# Altium PCB AD6645.PcbDoc (part 1 of 2) (continued)
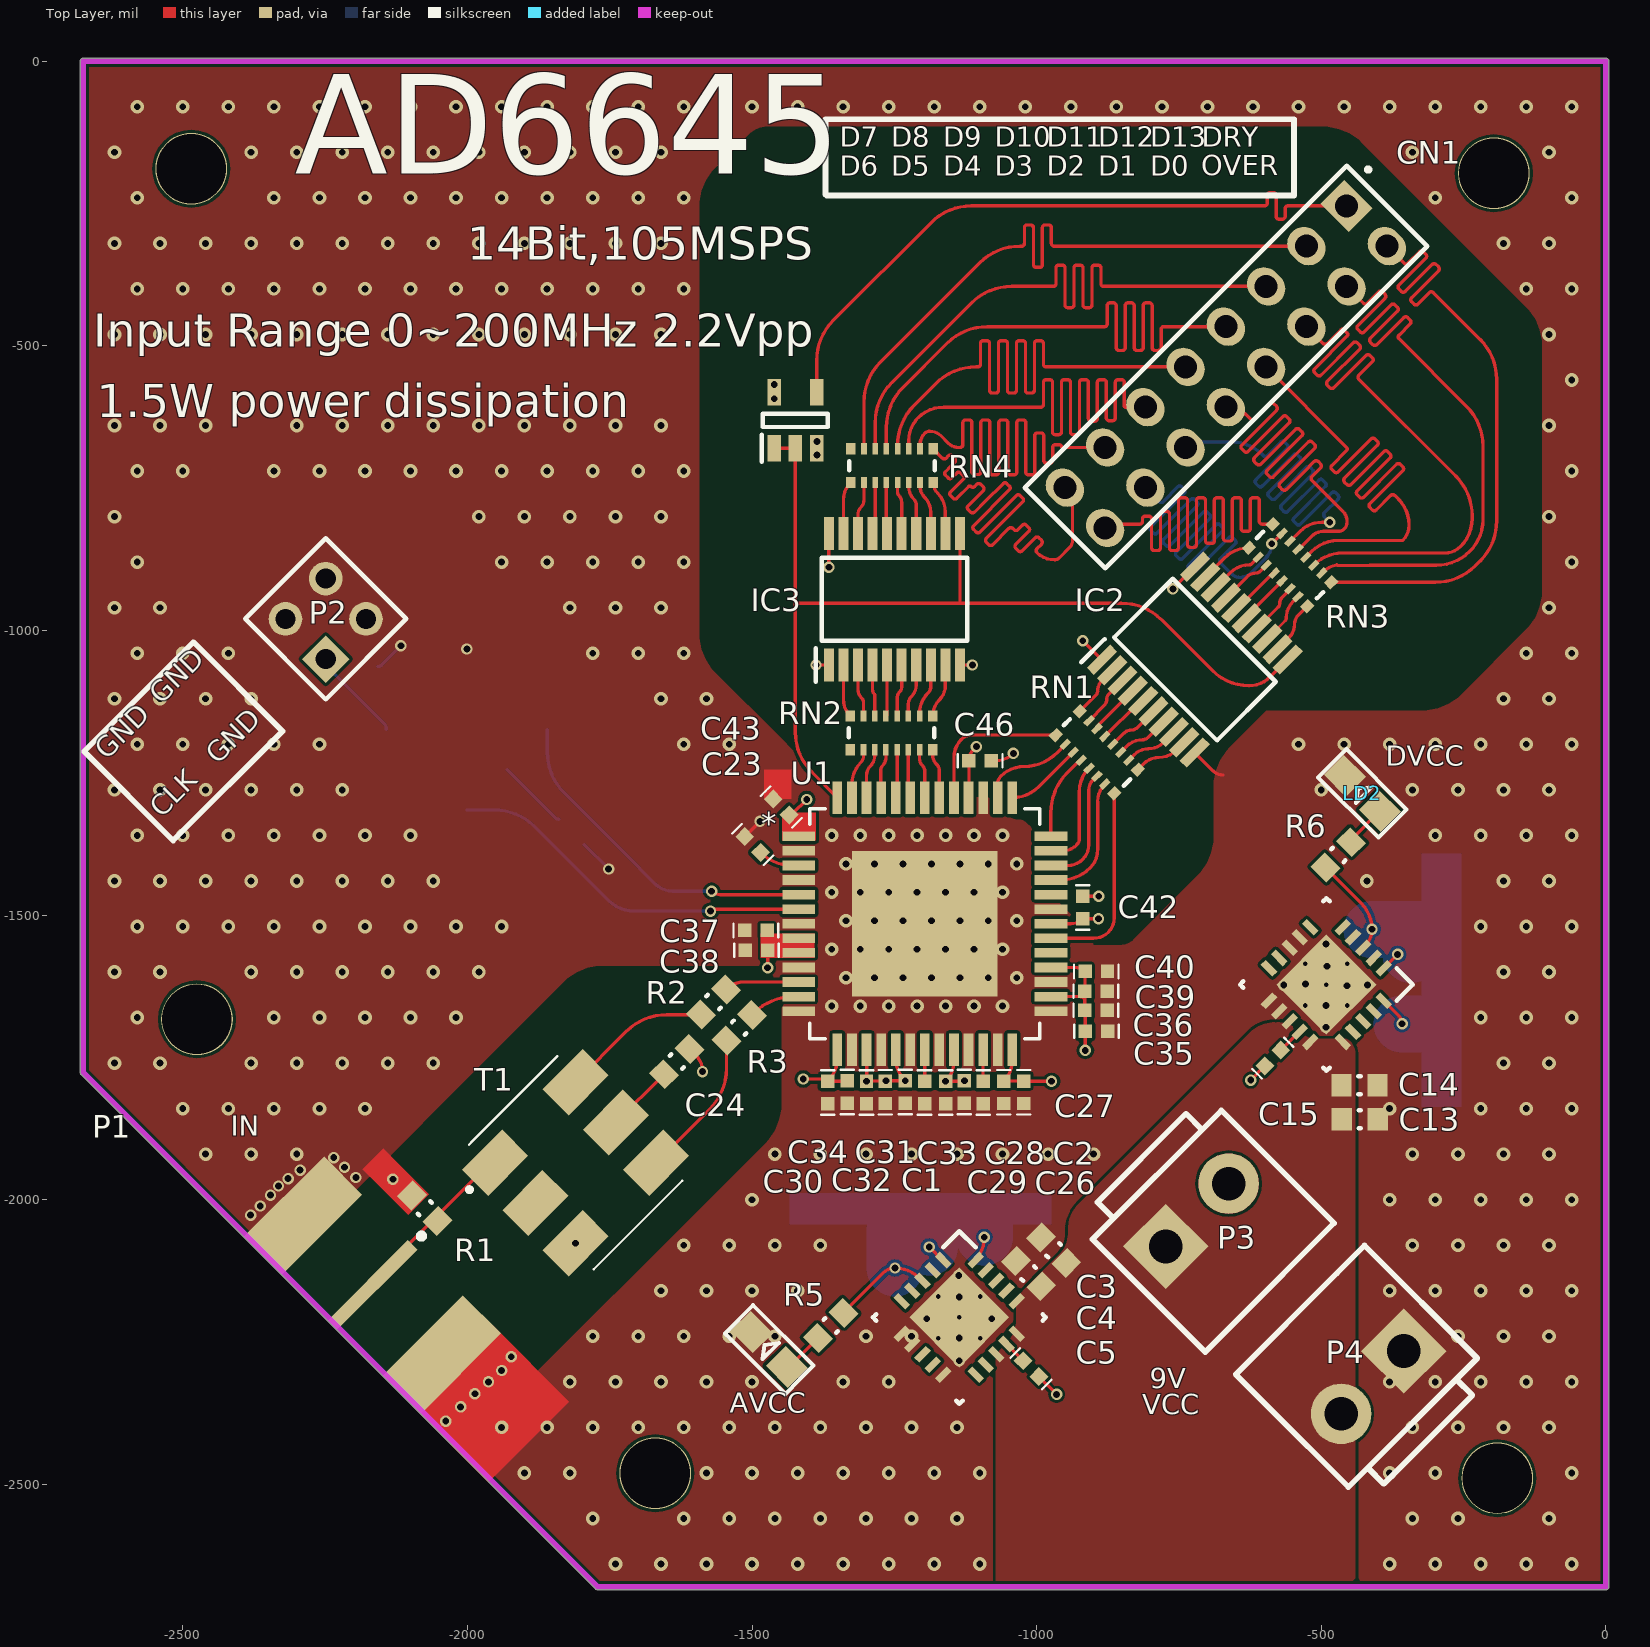
[diagram p0: Top Layer view]
## Components (designator, comment, footprint, x,y, rotation, side; value= is the part's Value field where it differs from the comment)
C1 "0.1u" 0402 -1197,-1792 r270 top
C2 "0.1u" 0402 -1094,-1792 r270 top
C3 "10uf" 0603C -970.27,-2088.73 r315 top
C4 "10uf" 0603C -1014.27,-2129.73 r315 top
C5 "1uf" 0402 -996.16,-2310.84 r135 top
C6 "10uf" 0603C -1207,-1981.5 r270 bottom
C7 "10uf" 0603C -1401,-1981.5 r270 bottom
C8 "10uf" 0603C -1271.67,-1981.5 r270 bottom
C9 "10uf" 0603C -1142.33,-1981.5 r270 bottom
C10 "10uf" 0603C -1077.67,-1981.5 r270 bottom
C11 "10uf" 0603C -1336.33,-1981.5 r270 bottom
C12 "10uf" 0603C -1013,-1981.5 r270 bottom
C13 "10uf" 0603C -432.5,-1859 r180 top
C14 "10uf" 0603C -433,-1799 r180 top
C15 "1uf" 0402 -599,-1765 r45 top
C16 "10uf" 0603C -252,-1551.83 r180 bottom
C17 "10uf" 0603C -252,-1423 r180 bottom
C18 "10uf" 0603C -252,-1745.09 r180 bottom
C19 "10uf" 0603C -252,-1809.5 r180 bottom
C20 "10uf" 0603C -252,-1487.42 r180 bottom
C21 "10uf" 0603C -252,-1680.67 r180 bottom
C22 "10uf" 0603C -252,-1616.25 r180 bottom
C23 "0.1u" 0402 -1512.84,-1362.16 r315 top
C24 "0.1u" 0603C -1632.27,-1757.27 r45 top
C25 "0.1u" 0603C -1817,-1354 r315 bottom
C26 "0.1u" 0402 -1058,-1831 r90 top
C27 "0.1n" 0402 -1023,-1831 r90 top
C28 "0.1u" 0402 -1160,-1831.37 r90 top
C29 "0.1n" 0402 -1127,-1830.37 r90 top
C30 "0.1u" 0402 -1333,-1830.37 r90 top
C31 "0.1n" 0402 -1299,-1831.37 r90 top
C32 "0.1u" 0402 -1266,-1831 r90 top
C33 "0.1n" 0402 -1231,-1830.37 r90 top
C34 "0.1u" 0402 -1367,-1831.37 r90 top
C35 "0.1n" 0402 -875.26,-1704 r180 top
C36 "0.1u" 0402 -876.26,-1667 r180 top
C37 "0.1n" 0402 -1513,-1527 r0 top
C38 "0.1u" 0402 -1512,-1562 r0 top
C39 "0.1n" 0402 -876.26,-1634 r180 top
C40 "0.1u" 0402 -875.63,-1599 r180 top
C42 "0.1u" 0402 -919,-1467 r270 top
C43 "0.1u" 0402 -1462.84,-1296.16 r315 top
C46 "0.1n" 0402 -1079.63,-1229 r180 top
CN1 "Header 8X2_Female" HDR_8x2_2R54_V_F -455.58,-254.16 r225 top
D1 "MA717-(TX)" SOT-23 -1725,-1446 r315 bottom
IC2 "74LCX574FT_AE_" SOP65P640X120-20N -722.16,-1051.26 r45 top
IC3 "74LCX574FT_AE_" SOP65P640X120-20N -1250,-945 r90 top
IC4 "NC7SZ32M5X" SOT95P280X145-5N -1424,-630.79 r90 top
LD1 "LED" SMDLED -1439,-2294 r135 top
LD2 "LED" SMDLED -397.02,-1317.07 r135 top
P1 "SMA" SMA -2095.58,-2085.65 r45 top
P2 "Header 2X2" HDR2X2 -2249,-1050.42 r45 top
P3 "3.96" 3.96 -718,-2027 r45 top
P4 "3.96" 3.96 -410,-2321 r225 top
R1 "60.4" 0603R -2075,-2015 r315 top
R2 "25" 0603R -1567.73,-1652.73 r45 top
R3 "25" 0603R -1522.73,-1697.73 r45 top
R4 "49.9" 0603R -2179.73,-1085.73 r225 bottom
R5 "1k" 0603R -1362,-2221 r225 top
R6 "1k" 0603R -470.27,-1394.27 r45 top
RN1 "EXB-2HV101JV" EXB2HV101JV -894.16,-1214.08 r315 top
RN2 "EXB-2HV101JV" EXB2HV101JV -1255,-1180 r0 top
RN3 "EXB-2HV101JV" EXB2HV101JV -555,-885.24 r315 top
RN4 "EXB-2HV101JV" EXB2HV101JV -1254.21,-710.47 r0 top
T1 "ADT4-1WT" ADT41WT -1810,-1935 r315 top
T2 "ADT4-1WT" ADT41WT -2001,-1174 r45 bottom
U1 "AD6645ASVZ-80" SV_52_1_ADI -1196.54,-1515.22 r0 top
U4 "TPS7A4701QRGWRQ1" RGW0020A -1135.89,-2206.89 r315 top value=Value
U5 "TPS7A4701QRGWRQ1" RGW0020A -491,-1622 r225 top value=Value

## Footprints (in the part's own frame and the unit in brackets; to place one, negate y for a bottom-side part, rotate by r counter-clockwise, add the part's x,y. Pads: shape width x height; smd on the part's side, far side on the other; paste and mask are expansions set on the pad)
3.96 [mm] "接插件，25V/5A"
  rect 2.7x2.7 hole 1.5: 1(-1.98,0)
  round 2.7 hole 1.5: 2(1.982,0)
  silkscreen extent -4.06,-4.57 4.07,3.56, body extent -3.98,-4.4 4.03,4.16, height 10.5
0402 [mm]
  rect 0.6x0.6 smd: 1(0,0) 2(1,0)
  silkscreen extent -0.5,-0.3 1.5,0.3
0603C [mm] "Chip Capacitor, Body 1.6x0.8mm, Height 1.0mm, IPC Medium Density"
  rect 0.9x1 smd: 1(-0.8,0) 2(0.8,0)
  silkscreen extent -0.05,-0.4 0.05,0.4, body extent -0.88,-0.47 0.88,0.47, height 1
0603R [mm] "Chip Resistor, Body 1.6x0.8mm, IPC Medium Density"
  rect 0.9x1 smd: 1(-0.8,0) 2(0.8,0)
  silkscreen extent -0.05,-0.4 0.05,0.4, body extent -0.85,-0.47 0.85,0.47, height 0.6
ADT41WT [mm]
  rect 1.65x2.54 smd: 1(-2.54,-2.54) 2(0,-2.54) 3(2.54,-2.54) 4(2.54,2.54) 5(0,2.54) 6(-2.54,2.54)
  silkscreen extent -3.94,-4.3 3.94,2.8, body extent -3.94,-3.65 3.94,3.64, height 2.94
EXB2HV101JV [mm]
  rect 0.425x0.5 smd: 1(-1.838,-0.75) 8(1.838,-0.75) 9(1.838,0.75) 16(-1.838,0.75)
  rect 0.25x0.5 smd: 2(-1.25,-0.75) 3(-0.75,-0.75) 4(-0.25,-0.75) 5(0.25,-0.75) 6(0.75,-0.75) 7(1.25,-0.75) 10(1.25,0.75) 11(0.75,0.75) 12(0.25,0.75) 13(-0.25,0.75) 14(-0.75,0.75) 15(-1.25,0.75)
  silkscreen extent -1.9,-0.2 1.9,0.2, body extent -2.01,-0.98 2.01,0.98, height 0.65
HDR2X2 [mm]
  rect 1.5x1.5 hole 0.9: 1(0,0)
  round 1.5 hole 0.9: 2(0,2.54) 3(2.54,0) 4(2.54,2.54)
  silkscreen extent -1.27,-1.27 3.81,3.81
HDR_8x2_2R54_V_F [mm] "Female Header, Pitch 2.54mm, 2x8 Position, Mated Height 6mm, Tail Length 3mm"
  rect 1.5x1.8 hole 1.02: 1(0,0)
  oval 1.5x1.8 hole 1.02: 2(0,2.54) 3(2.54,0) 4(2.54,2.54) 5(5.08,0) 6(5.08,2.54) 7(7.62,0) 8(7.62,2.54) 9(10.16,0) 10(10.16,2.54) 11(12.7,0) 12(12.7,2.54) 13(15.24,0) 14(15.24,2.54) 15(17.78,0) 16(17.78,2.54)
  silkscreen extent -1.89,-1.27 19.05,3.81, body extent -1.27,-1.27 19.05,3.81, height 8.64
RGW0020A [mm]
  rect 0.75x0.31 smd paste+0 mask+0: 1(-2.325,1.3) 2(-2.325,0.65) 3(-2.325,0) 4(-2.325,-0.65) 5(-2.325,-1.3) 11(2.325,-1.3) 12(2.325,-0.65) 13(2.325,0) 14(2.325,0.65) 15(2.325,1.3)
  rect 0.31x0.75 smd paste+0 mask+0: 6(-1.3,-2.325) 7(-0.65,-2.325) 8(0,-2.325) 9(0.65,-2.325) 10(1.3,-2.325) 16(1.3,2.325) 17(0.65,2.325) 18(0,2.325) 19(-0.65,2.325) 20(-1.3,2.325)
  round 0.5 hole 0.203 mask+0: 21(-1.325,0) 21(0,0) 21(0,1.325) 21(0,-1.325) 21(1.325,0)
  rect 3.15x3.15 smd paste-1.562 mask+0: 21(0,0)
  silkscreen extent -2.73,-2.73 2.73,2.73, body extent 0,0 0.25,0.25, height 0.25
SMA [mil]
  rect 200x24 smd: 1(-96,5)
  rect 200x95 smd: 2(-96,-167.5) 2(-96,177.5)
  rect 200x95 smd far side: 2(-96,-167.5) 2(-96,177.5) 2(-96,177.5)
  silkscreen extent 21,0 31,10, body extent -571,-183 -9,192, height 171
SMDLED [mm]
  rect 1.4x1.27 smd: 1(0.001,-0.002) 2(2.211,-0.002)
  silkscreen extent -0.8,-0.89 3.01,0.89
SOP65P640X120-20N [mm]
  rect 1.475x0.45 smd: 1(-2.938,2.925) 2(-2.938,2.275) 3(-2.938,1.625) 4(-2.938,0.975) 5(-2.938,0.325) 6(-2.938,-0.325) 7(-2.938,-0.975) 8(-2.938,-1.625) 9(-2.938,-2.275) 10(-2.938,-2.925) 11(2.938,-2.925) 12(2.938,-2.275) 13(2.938,-1.625) 14(2.938,-0.975) 15(2.938,-0.325) 16(2.938,0.325) 17(2.938,0.975) 18(2.938,1.625) 19(2.938,2.275) 20(2.938,2.925)
  silkscreen extent -3.67,-3.25 1.85,3.5, body extent -3.2,-3.25 3.2,3.25, height 1.2
SOT95P280X145-5N [mm]
  rect 1.2x0.6 smd: 1(-1.25,0.95) 2(-1.25,0) 3(-1.25,-0.95) 4(1.25,-0.95) 5(1.25,0.95)
  silkscreen extent -1.85,-1.45 0.3,1.5, body extent -1.4,-1.45 1.4,1.45, height 1.45
SOT-23 [mm]
  rect 0.8x0.9 smd: 1(-0.98,-1) 2(0.98,-1) 3(0,1)
  silkscreen extent -1.95,-1.62 1.5,0.7, body extent -1.52,-0.7 1.52,0.7, height 1.11
SV_52_1_ADI [mm]
  rect 1.461x0.431 smd paste+0 mask+0: 1(-5.625,3.9) 2(-5.625,3.25) 3(-5.625,2.6) 4(-5.625,1.95) 5(-5.625,1.3) 6(-5.625,0.65) 7(-5.625,0) 8(-5.625,-0.65) 9(-5.625,-1.3) 10(-5.625,-1.95) 11(-5.625,-2.6) 12(-5.625,-3.25) 13(-5.625,-3.9) 27(5.625,-3.9) 28(5.625,-3.25) 29(5.625,-2.6) 30(5.625,-1.95) 31(5.625,-1.3) 32(5.625,-0.65) 33(5.625,0) 34(5.625,0.65) 35(5.625,1.3) 36(5.625,1.95) 37(5.625,2.6) 38(5.625,3.25) 39(5.625,3.9)
  rect 0.431x1.461 smd paste+0 mask+0: 14(-3.9,-5.625) 15(-3.25,-5.625) 16(-2.6,-5.625) 17(-1.95,-5.625) 18(-1.3,-5.625) 19(-0.65,-5.625) 20(0,-5.625) 21(0.65,-5.625) 22(1.3,-5.625) 23(1.95,-5.625) 24(2.6,-5.625) 25(3.25,-5.625) 26(3.9,-5.625) 40(3.9,5.625) 41(3.25,5.625) 42(2.6,5.625) 43(1.95,5.625) 44(1.3,5.625) 45(0.65,5.625) 46(0,5.625) 47(-0.65,5.625) 48(-1.3,5.625) 49(-1.95,5.625) 50(-2.6,5.625) 51(-3.25,5.625) 52(-3.9,5.625)
  rect 6.5x6.5 smd paste-3.237 mask+0: EPAD(0,0)
  silkscreen extent -5.13,-5.13 5.13,5.13

## Part data
C1 C2 C3 C4 C5 C6 C7 C8 C9 C10 C11 C12 C13 C14 C15 C16 C17 C18 C19 C20 C21 C22 C23 C24 C25 C26 C27 C28 C29 C30 C31 C32 C33 C34 C35 C36 C37 C38 C39 C40 C42 C43 C46: library part C, "Capacitor"
CN1: "Header, 8-Pin, Dual row,female", LatestRevisionDate=17-Jul-2002, LatestRevisionNote="Re-released for DXP Platform.", Publisher="Altium Limited"
D1: library part BAT54C, "双肖特基二极管"
IC2 IC3: "Integrated Circuit", Manufacturer_Name=Toshiba, Manufacturer_Part_Number=74LCX574FT(AE), Datasheet Link=https://www.mouser.com.gt/datasheet/2/408/74LCX574FT_datasheet_en_20140624-771474.pdf, Height=1.2mm
IC4: "Integrated Circuit", Manufacturer_Name="ON Semiconductor", Mouser Part Number=512-NC7SZ32M5X, Arrow Part Number=NC7SZ32M5X, Arrow Price/Stock=https://www.arrow.com/en/products/nc7sz32m5x/on-semiconductor, Datasheet Link=http://docs-emea.rs-online.com/webdocs/0f9b/0900766b80f9b555.pdf, Height=1.45mm, Manufacturer_Part_Number=NC7SZ32M5X, Mouser Price/Stock=https://www.mouser.co.uk/ProductDetail/ON-Semiconductor-Fairchild/NC7SZ32M5X?qs=FF3lEoAMV0utdIYQyXzmdA%3D%3D
LD1 LD2: "Typical RED, GREEN, YELLOW, AMBER GaAs LED", PackageDocument=Feb-2002, LatestRevisionDate=17-Jul-2002, LatestRevisionNote="Re-released for DXP Platform.", PackageReference=3.2X1.6X1.1, Published=8-Jun-2000, Publisher="Altium Limited"
P1: "SMA Connector"
P2: "Header, 2-Pin, Dual row", LatestRevisionDate=17-Jul-2002, LatestRevisionNote="Re-released for DXP Platform.", Publisher="Altium Limited"
R1 R2 R3 R4 R5 R6: library part Resistor, "Resistor"
RN1 RN2 RN3 RN4: "Resistor Network", Manufacturer_Name=Panasonic, Mouser Part Number=667-EXB-2HV101JV, Arrow Part Number=EXB-2HV101JV, Arrow Price/Stock=https://www.arrow.com/en/products/exb-2hv101jv/panasonic, Datasheet Link=https://industrial.panasonic.com/cdbs/www-data/pdf/AOC0000/AOC0000C14.pdf, Height=0.55mm, Manufacturer_Part_Number=EXB-2HV101JV, Mouser Price/Stock=https://www.mouser.co.uk/ProductDetail/Panasonic/EXB-2HV101JV?qs=oE3VwAv%2FYtkI4Sp%252Bk267NQ%3D%3D
T1 T2: "Transformer", Manufacturer_Name=Mini-Circuits, Datasheet Link=https://ww3.minicircuits.com/pdfs/ADT4-1WT.pdf, Height=2.84mm, Manufacturer_Part_Number=ADT4-1WT
U1: "No Description Available", Built_By=EMA_UL_Team, Copyright="Copyright (C) 2021 Accelerated Designs. All rights reserved", Manufacturer_Part_Number=AD6645ASVZ-80, RefDes=RefDes, SourceLibrary=Analog_2015-01-06, Type=DEV, Vendor="Analog Devices Inc"
U4 U5: "No Description Available", Manufacturer="Texas Instruments", Copyright="Copyright (C) 2018 Accelerated Designs. All rights reserved", PartNumber=TPS7A4701QRGWRQ1, RefDes=RefDes, Type=DEV

## Free pads (board coordinates)
  round 125.98 hole 122.05: 2(-2485.15,-188.85) 2(-2475.15,-1683.15) 2(-1670,-2480.61) 2(-196.85,-196.85) 2(-190.85,-2489.15)

## Via types
v1: diameter 24, hole 12, Top Layer to Bottom Layer, tented both sides, 422 vias
v2: diameter 20, hole 12, Top Layer to Bottom Layer, tented both sides, 71 vias

## Nets (pads, with @x,y where several pads share a name; then routed paths per layer and width w, separated by ;. In a path a pad name is that pad's centre, name@x,y a point inside that pad or via, vN(x,y) a via of type N, cw(c..) or ccw(c..) an arc to the next point about the centre after c; other vN are vias at no path point)
AIN: R2.2 U1.11 | length 130.9
  Top Layer w5.78: R2.2@-1545.46,-1630.46 cw(c-1514.37,-1661.54) -1514.37,-1617.58 U1.11@-1418,-1617.58
AIN*: R3.2 U1.12 | length 82.8
  Top Layer w5.78: R3.2@-1500.46,-1675.46 -1497.46,-1672.46 cw(c-1426.75,-1743.17) U1.12@-1426.75,-1643.17
AVCC: C6.2 C7.2 C8.2 C9.2 C10.2 C11.2 C12.2 C26.2 C27.2 C28.2 C29.2 C30.2 C31.2 C32.2 C33.2 C34.2 C35.2 C36.2 C37.2 C38.2 C39.2 C40.2 R5.1 U1.8 U1.9 U1.14 U1.16 U1.18 U1.22 U1.26 U1.28 U1.30 U4.1 U4.3 U4.20 | length 1239.1
  Top Layer w5.78: v2(-1472.63,-1592.63) C38.2@-1472.63,-1562 ; -1472.63,-1544 cw(c-1464.93,-1551.7) -1464.93,-1540.81 U1.8@-1418,-1540.81 ; v2(-1410,-1788) -1371,-1788 C34.2@-1367,-1792 ; U1.14@-1350.09,-1736.68 -1350.09,-1751.17 cw(c-1407.83,-1751.17) C34.2@-1367,-1792 ; R5.1@-1339.73,-2198.73 -1269.49,-2128.49 cw(c-1249,-2148.97) v2(-1249,-2120) cw(c-1249,-2180.36) U4.3@-1206.32,-2137.68 ; C30.2@-1333,-1791 cw(c-1335.41,-1788.59) -1335.41,-1792 C34.2@-1367,-1792 ; U1.16@-1298.63,-1736.95 -1298.63,-1791.63 C32.2@-1266,-1791.63 cw(c-1264.48,-1793.15) v2(-1264.48,-1791) v2(-1231,-1791) cw(c-1190.62,-1750.62) U1.18@-1247.73,-1750.62 ; v2(-1188.62,-2083) U4.1@-1165.53,-2106.08 ; U1.22@-1149.47,-1751.28 cw(c-1107.61,-1784.42) -1145.36,-1746.67 -1145.36,-1756.66 cw(c-1195.34,-1756.66) v2(-1160,-1792) -1129.41,-1792 ccw(c-1129.41,-1788.59) v2(-1127,-1791) ; U4.20@-1108.47,-2106.08 ccw(c-1148.22,-2066.33) -1092,-2066.33 v2(-1092,-2066) ; U1.26@-1043,-1755.42 cw(c-1094.21,-1755.42) C26.2@-1058,-1791.63 C27.2@-1023,-1791.63 -1021.37,-1790 -1019.37,-1792 v2(-974,-1792) ; U1.28@-975.09,-1643.17 -924.87,-1643.17 cw(c-924.87,-1656.24) -915.63,-1647 ; U1.30@-975.09,-1591.99 -931.92,-1591.99 cw(c-931.92,-1615.92) C40.2@-915,-1599 -915,-1632.48 cw(c-917.15,-1632.48) C39.2@-915.63,-1634 -915.63,-1647 ; v2(-914.63,-1737.63) C35.2@-914.63,-1704 -914.63,-1669.41 ccw(c-918.04,-1669.41) C36.2@-915.63,-1667 -915.63,-1647
  Bottom Layer w100: v2(-1249,-2120) -1249,-2053 ; v2(-1188.62,-2083) -1188.62,-2049.62 ; v2(-1092,-2066) -1092,-2042
  other v2: -1299,-1792
CLK: P2.1 R4.2 T2.1 | length 166
  Bottom Layer w5.78: P2.1@-2249,-1050.42 ccw(c-2223.46,-1050.42) -2241.52,-1068.48 R4.2@-2202,-1108 -2146.96,-1163.04 cw(c-2157.92,-1174) T2.1@-2142.42,-1174
D0: RN1.7 U1.36 | length 228.9
  Top Layer w5.78: U1.36@-975.09,-1438.45 -957.78,-1438.45 ccw(c-957.78,-1365.22) -906,-1417 ccw(c-937.38,-1385.62) -893,-1385.62 -893,-1300.56 cw(c-849.44,-1300.56) RN1.7@-880.24,-1269.76
D0_OUT: CN1.4 RN3.10 | length 1195.9
  Top Layer w5.78: RN3.10@-499.32,-899.16 -498.42,-898.26 cw(c-464,-932.67) -472.85,-884.81 ccw(c-469.98,-881.94) -469.98,-886 -423.36,-886 ccw(c-423.36,-800.64) -414.84,-885.57 -298.33,-885.57 ccw(c-298.33,-801.67) -239,-861 ccw(c-294.53,-805.47) -216,-805.47 -216,-676.58 ccw(c-316,-676.58) -245.29,-605.87 -363.44,-487.72 cw(c-360.09,-484.37) -363.44,-481.02 -343.91,-461.49 ccw(c-347.26,-458.15) -343.91,-454.8 -348.38,-450.34 ccw(c-351.72,-453.68) -355.07,-450.34 -377.95,-473.21 -402.63,-497.9 cw(c-405.98,-494.55) -409.33,-497.9 -413.79,-493.43 cw(c-410.44,-490.09) -413.79,-486.74 -366.23,-439.18 ccw(c-369.58,-435.83) -366.23,-432.48 -370.69,-428.02 ccw(c-374.04,-431.37) -377.39,-428.02 -424.95,-475.58 cw(c-428.3,-472.23) -431.64,-475.58 -436.11,-471.12 cw(c-432.76,-467.77) -436.11,-464.42 -388.08,-416.39 ccw(c-391.42,-413.05) -388.08,-409.7 -392.54,-405.24 ccw(c-395.89,-408.58) -399.23,-405.24 -419.23,-425.23 cw(c-422.58,-421.88) -425.93,-425.23 CN1.4@-455.58,-395.58
D1: RN1.6 U1.37 | length 212.9
  Top Layer w5.78: U1.37@-975.09,-1412.86 -945.21,-1412.86 ccw(c-945.21,-1375.79) -919,-1402 ccw(c-944.42,-1376.58) -908.47,-1376.58 -908.47,-1280 cw(c-884.7,-1280) -901.51,-1263.19 RN1.6@-894.16,-1255.84
D1_OUT: CN1.6 RN3.11 | length 1195.8
  Top Layer w5.78: CN1.6@-526.29,-466.29 -496.56,-496.02 ccw(c-493.21,-492.67) -489.86,-496.02 -466.1,-472.25 cw(c-462.75,-475.6) -459.4,-472.25 -454.94,-476.72 cw(c-458.29,-480.07) -454.94,-483.41 -511.73,-540.2 ccw(c-508.38,-543.55) -511.73,-546.9 -507.27,-551.36 ccw(c-503.92,-548.01) -500.57,-551.36 -443.78,-494.57 cw(c-440.43,-497.92) -437.09,-494.57 -432.62,-499.03 cw(c-435.97,-502.38) -432.62,-505.73 -489.41,-562.52 ccw(c-486.07,-565.87) -489.41,-569.22 -484.95,-573.68 ccw(c-481.6,-570.33) -478.26,-573.68 -448.58,-544 -421.4,-516.82 cw(c-418.05,-520.17) -414.71,-516.82 -410.24,-521.29 cw(c-413.59,-524.63) -410.24,-527.98 -434.07,-551.81 ccw(c-430.72,-555.16) -434.07,-558.51 -264.29,-728.29 cw(c-335,-799) -235,-799 -235,-803.24 cw(c-304.76,-803.24) -255.43,-852.57 cw(c-283.04,-824.96) -283.04,-864 -462.73,-864 ccw(c-462.73,-934.67) RN3.11@-512.67,-884.67 ; RN3.11@-513.24,-885.24 RN3.11@-512.7,-884.7
D2: RN1.5 U1.38 | length 188.8
  Top Layer w5.78: U1.38@-975.09,-1387.27 -954.79,-1387.27 ccw(c-954.79,-1352.21) -930,-1377 ccw(c-942.07,-1364.93) -925,-1364.93 -925,-1282.77 cw(c-867.23,-1282.77) -924.15,-1272.89 cw(c-867.23,-1282.77) RN1.5@-908.08,-1241.92
D2_OUT: CN1.8 RN3.12 | length 1195.8
  Top Layer w5.78: CN1.8@-597,-537 -456.03,-677.97 cw(c-459.38,-681.31) -456.03,-684.66 -481.64,-710.27 ccw(c-478.3,-713.62) -481.64,-716.97 -477.18,-721.43 ccw(c-473.83,-718.08) -470.49,-721.43 -412.57,-663.51 cw(c-409.22,-666.86) -405.88,-663.51 -401.41,-667.98 cw(c-404.76,-671.33) -401.41,-674.67 -459.33,-732.59 ccw(c-455.98,-735.94) -459.33,-739.28 -454.86,-743.75 ccw(c-451.52,-740.4) -448.17,-743.75 -419.21,-714.79 -390.25,-685.83 cw(c-386.91,-689.18) -383.56,-685.83 -379.1,-690.29 cw(c-382.44,-693.64) -379.1,-696.99 -437.01,-754.9 ccw(c-433.66,-758.25) -437.01,-761.6 -432.55,-766.06 ccw(c-429.2,-762.71) -425.85,-766.06 -367.94,-708.15 cw(c-364.59,-711.49) -361.24,-708.15 -356.78,-712.61 cw(c-360.13,-715.96) -356.78,-719.31 -414.69,-777.22 ccw(c-411.35,-780.57) -414.69,-783.92 -410.23,-788.38 ccw(c-406.88,-785.03) -403.54,-788.38 -377.93,-762.77 cw(c-374.58,-766.12) -371.23,-762.77 -364.38,-769.62 cw(c-408.77,-814) -346,-814 -346,-815.44 cw(c-383.56,-815.44) -357,-842 -470.74,-842 ccw(c-470.74,-907.42) -517,-861.16 RN3.12@-527.16,-871.32
D3: RN1.4 U1.39 | length 152.7
  Top Layer w5.78: U1.39@-975.09,-1361.68 -975.09,-1320.02 cw(c-875.09,-1320.02) -945.8,-1249.31 -924.99,-1228.49 cw(c-922,-1237.27) RN1.4@-922,-1228
D3_OUT: CN1.10 RN3.13 | length 1208.2
  Top Layer w5.78: CN1.10@-667.71,-607.71 cw(c-667.71,-661.84) -629.43,-623.57 -623.77,-629.23 ccw(c-620.42,-625.88) -617.07,-629.23 -589.85,-602.01 cw(c-586.5,-605.36) -583.16,-602.01 -578.69,-606.47 cw(c-582.04,-609.82) -578.69,-613.17 -639.83,-674.31 ccw(c-636.49,-677.65) -639.83,-681 -635.37,-685.47 ccw(c-632.02,-682.12) -628.67,-685.47 -567.53,-624.33 cw(c-564.19,-627.67) -560.84,-624.33 -556.38,-628.79 cw(c-559.72,-632.14) -556.38,-635.48 -617.52,-696.62 ccw(c-614.17,-699.97) -617.52,-703.32 -613.05,-707.78 ccw(c-609.71,-704.43) -606.36,-707.78 -575.79,-677.21 -545.22,-646.64 cw(c-541.87,-649.99) -538.52,-646.64 -534.06,-651.11 cw(c-537.41,-654.45) -534.06,-657.8 -595.2,-718.94 ccw(c-591.85,-722.29) -595.2,-725.63 -590.74,-730.1 ccw(c-587.39,-726.75) -584.04,-730.1 -522.9,-668.96 cw(c-519.55,-672.31) -516.21,-668.96 -511.74,-673.42 cw(c-515.09,-676.77) -511.74,-680.12 -572.88,-741.26 ccw(c-569.54,-744.6) -572.88,-747.95 -568.42,-752.41 ccw(c-565.07,-749.07) -561.73,-752.41 -531.16,-721.84 -512.46,-703.14 cw(c-509.11,-706.49) -505.76,-703.14 -501.3,-707.61 cw(c-504.65,-710.95) -501.3,-714.3 -516.65,-729.65 ccw(c-513.3,-733) -516.65,-736.35 -461.19,-791.81 cw(c-476.14,-806.76) -455,-806.76 -455,-810.48 cw(c-470.75,-810.48) -459.61,-821.61 ; RN3.13@-541.08,-857.4 ccw(c-541.08,-854.47) -539.01,-856.54 -516.78,-834.32 cw(c-496.48,-854.62) -496.48,-825.91 -470,-825.91 ; -469.99,-825.91 ccw(c-469.99,-811.24) -459.65,-821.65 ; -469.99,-825.91 ccw(c-470,-811.21) -459.65,-821.65 ; -459.65,-821.65 ccw(c-469.99,-811.24) -459.61,-821.61 ; -459.65,-821.65 ccw(c-470,-811.21) -459.61,-821.61
D4: RN1.3 U1.40 | length 139.8
  Top Layer w5.78: U1.40@-1043,-1293.76 ccw(c-1043,-1227.62) -996.23,-1274.39 RN1.3@-935.92,-1214.08 ccw(c-935.92,-1280.23) RN1.3@-938.46,-1214.13
D4_OUT: CN1.12 RN3.14 | length 1136.4
  Top Layer w5.78: RN3.14@-555,-843.48 -537.19,-825.67 cw(c-498.92,-863.95) -498.92,-809.82 v2(-485.18,-809.82)
  Bottom Layer w5.78: CN1.12@-738.42,-678.42 cw(c-715.68,-701.17) -715.68,-669 -657,-669 cw(c-657,-743.84) -604.08,-690.92 -601.85,-693.15 ccw(c-598.5,-689.8) -595.15,-693.15 -571.02,-669.02 cw(c-567.67,-672.37) -564.32,-669.02 -559.86,-673.48 cw(c-563.21,-676.83) -559.86,-680.18 -614.82,-735.14 ccw(c-611.48,-738.49) -614.82,-741.83 -610.36,-746.3 ccw(c-607.01,-742.95) -603.67,-746.3 -548.7,-691.33 cw(c-545.36,-694.68) -542.01,-691.33 -537.55,-695.8 cw(c-540.89,-699.15) -537.55,-702.49 -592.51,-757.45 ccw(c-589.16,-760.8) -592.51,-764.15 -588.04,-768.61 ccw(c-584.7,-765.27) -581.35,-768.61 -553.87,-741.13 -526.39,-713.65 cw(c-523.04,-717) -519.69,-713.65 -515.23,-718.11 cw(c-518.58,-721.46) -515.23,-724.81 -570.19,-779.77 ccw(c-566.84,-783.12) -570.19,-786.47 -565.73,-790.93 ccw(c-562.38,-787.58) -559.03,-790.93 -504.07,-735.97 cw(c-500.72,-739.31) -497.38,-735.97 -492.91,-740.43 cw(c-496.26,-743.78) -492.91,-747.13 -547.87,-802.09 ccw(c-544.53,-805.43) -547.87,-808.78 -543.41,-813.25 ccw(c-540.06,-809.9) -536.72,-813.25 -481.75,-758.28 cw(c-478.41,-761.63) -475.06,-758.28 -470.6,-762.75 cw(c-473.94,-766.09) -470.6,-769.44 -494.73,-793.58 ccw(c-491.38,-796.92) -494.73,-800.27 v2(-485.18,-809.82)
D5: RN1.2 U1.41 | length 169.6
  Top Layer w5.78: U1.41@-1068.59,-1293.76 -1068.59,-1269.5 cw(c-1049.5,-1269.5) -1063,-1256 cw(c-1021.96,-1297.04) -1021.96,-1239 ccw(c-1021.96,-1158.65) -965.14,-1215.47 RN1.2@-949.84,-1200.16
D5_OUT: CN1.14 RN3.15 | length 1141.8
  Top Layer w5.78: CN1.14@-809.13,-749.13 CN1.14@-804.55,-753.71 ; v2(-587,-847.64) RN3.15@-568.92,-829.56
  Bottom Layer w5.78: CN1.14@-809.13,-749.13 -784.58,-773.68 ccw(c-781.24,-770.33) -777.89,-773.68 -751.85,-747.64 cw(c-748.5,-750.98) -745.15,-747.64 -740.69,-752.1 cw(c-744.03,-755.45) -740.69,-758.79 -799.47,-817.58 ccw(c-796.12,-820.92) -799.47,-824.27 -795.01,-828.73 ccw(c-791.66,-825.39) -788.31,-828.73 -758.92,-799.34 -729.53,-769.95 cw(c-726.18,-773.3) -722.83,-769.95 -718.37,-774.42 cw(c-721.72,-777.76) -718.37,-781.11 -777.15,-839.89 ccw(c-773.81,-843.24) -777.15,-846.59 -772.69,-851.05 ccw(c-769.34,-847.7) -766,-851.05 -707.21,-792.27 cw(c-703.87,-795.62) -700.52,-792.27 -696.05,-796.73 cw(c-699.4,-800.08) -696.05,-803.43 -754.84,-862.21 ccw(c-751.49,-865.56) -754.84,-868.9 -750.37,-873.37 ccw(c-747.03,-870.02) -743.68,-873.37 -684.9,-814.59 cw(c-681.55,-817.93) -678.2,-814.59 -673.74,-819.05 cw(c-677.09,-822.4) -673.74,-825.74 -732.52,-884.53 ccw(c-729.17,-887.87) -732.52,-891.22 -728.06,-895.68 ccw(c-724.71,-892.34) -721.36,-895.68 -662.58,-836.9 cw(c-659.23,-840.25) -655.89,-836.9 -651.42,-841.36 cw(c-654.77,-844.71) -651.42,-848.06 -677.47,-874.1 ccw(c-674.12,-877.45) -677.47,-880.8 -657.11,-901.16 ccw(c-643,-887.05) -643,-907 ccw(c-643,-880.44) -624.22,-899.22 -597.15,-872.15 ccw(c-621.66,-847.64) v2(-587,-847.64)
D6: RN1.1 U1.44 | length 274.1
  Top Layer w5.78: U1.44@-1145.36,-1293.76 -1145.36,-1223.26 cw(c-1099.74,-1223.26) -1132,-1191 cw(c-1114.6,-1208.4) -1114.6,-1183.79 RN1.1@-966.21,-1183.79
D6_OUT: CN1.16 RN3.16 | length 1196.9
  Top Layer w5.78: CN1.16@-879.84,-819.84 cw(c-863.79,-835.89) -863.79,-813.19 -818.83,-813.19 ccw(c-818.83,-808.46) -814.1,-808.46 -814.1,-804.03 cw(c-809.36,-804.03) -809.36,-799.29 -803.05,-799.29 cw(c-803.05,-804.03) -798.32,-804.03 -798.32,-854.89 ccw(c-793.58,-854.89) -793.58,-859.62 -787.27,-859.62 ccw(c-787.27,-854.89) -782.54,-854.89 -782.54,-795.43 cw(c-777.8,-795.43) -777.8,-790.69 -771.49,-790.69 cw(c-771.49,-795.43) -766.76,-795.43 -766.76,-854.89 ccw(c-762.02,-854.89) -762.02,-859.62 -755.71,-859.62 ccw(c-755.71,-854.89) -750.98,-854.89 -750.98,-771.5 cw(c-746.24,-771.5) -746.24,-766.76 -739.93,-766.76 cw(c-739.93,-771.5) -735.2,-771.5 -735.2,-849.37 ccw(c-730.46,-849.37) -730.46,-854.11 -724.15,-854.11 ccw(c-724.15,-849.37) -719.42,-849.37 -719.42,-771.5 cw(c-714.68,-771.5) -714.68,-766.76 -708.37,-766.76 cw(c-708.37,-771.5) -703.64,-771.5 -703.64,-842.31 ccw(c-698.9,-842.31) -698.9,-847.04 -692.59,-847.04 ccw(c-692.59,-842.31) -687.86,-842.31 -687.86,-771.5 cw(c-683.12,-771.5) -683.12,-766.76 -676.81,-766.76 cw(c-676.81,-771.5) -672.08,-771.5 -672.08,-838.24 ccw(c-667.34,-838.24) -667.34,-842.98 -661.03,-842.98 ccw(c-661.03,-838.24) -656.3,-838.24 -656.3,-771.5 cw(c-651.56,-771.5) -651.56,-766.76 -645.25,-766.76 cw(c-645.25,-771.5) -640.52,-771.5 -640.52,-821.23 ccw(c-635.78,-821.23) -635.78,-825.96 -629.47,-825.96 ccw(c-629.47,-821.23) -624.74,-821.23 -624.74,-771.5 cw(c-620,-771.5) -620,-766.76 -613.69,-766.76 cw(c-613.69,-771.5) -608.96,-771.5 -608.96,-808.46 ccw(c-604.22,-808.46) -604.22,-813.19 RN3.16@-585.29,-813.19
D7: RN2.8 U1.45 | length 87.4
  Top Layer w5.78: RN2.8@-1182.64,-1209.53 -1182.64,-1218.97 ccw(c-1159.97,-1218.97) -1176,-1235 cw(c-1188.18,-1247.18) -1170.95,-1247.18 U1.45@-1170.95,-1293.76
D7_OUT: CN1.15 RN4.9 | length 1136.8
  Top Layer w5.78: RN4.9@-1181.85,-680.94 -1165.56,-697.23 ccw(c-1162.22,-693.88) -1158.87,-697.23 -1154.99,-693.36 cw(c-1151.65,-696.7) -1148.3,-693.36 -1143.83,-697.82 cw(c-1147.18,-701.17) -1143.83,-704.51 -1151.06,-711.74 -1160.23,-720.91 ccw(c-1156.88,-724.25) -1160.23,-727.6 -1155.76,-732.06 ccw(c-1152.42,-728.72) -1149.07,-732.06 -1139.9,-722.9 cw(c-1137.1,-725.7) -1134.3,-722.89 -1128.74,-728.44 cw(c-1131.55,-731.25) -1128.73,-734.04 -1151.3,-756.62 ccw(c-1147.96,-759.96) -1151.3,-763.31 -1146.84,-767.77 ccw(c-1143.49,-764.43) -1140.15,-767.77 -1119.5,-747.13 cw(c-1117.58,-749.05) -1115.67,-747.13 ccw(c-1112.32,-743.78) -1108.97,-747.13 -1105.05,-743.21 cw(c-1101.7,-746.56) -1098.36,-743.21 -1093.89,-747.67 cw(c-1097.24,-751.02) -1093.89,-754.37 -1101.16,-761.63 -1120.44,-780.92 ccw(c-1117.09,-784.26) -1120.44,-787.61 -1115.98,-792.07 ccw(c-1112.63,-788.73) -1109.28,-792.07 -1090,-772.79 -1059.09,-741.88 cw(c-1055.75,-745.23) -1052.4,-741.88 -1047.93,-746.35 cw(c-1051.28,-749.69) -1047.93,-753.04 -1110.85,-815.96 ccw(c-1107.5,-819.31) -1110.85,-822.65 -1106.39,-827.12 ccw(c-1103.04,-823.77) -1099.69,-827.12 -1067.69,-795.11 -1035.68,-763.1 cw(c-1032.33,-766.45) -1028.98,-763.1 -1024.52,-767.56 cw(c-1027.87,-770.91) -1024.52,-774.26 -1088.54,-838.28 ccw(c-1085.19,-841.62) -1088.54,-844.97 -1084.07,-849.43 ccw(c-1080.73,-846.09) -1077.38,-849.43 -1048.72,-820.77 cw(c-1045.37,-824.12) -1042.02,-820.77 -1039.79,-823 ccw(c-1036.44,-819.66) -1033.1,-823 -1024.99,-814.9 cw(c-1021.65,-818.25) -1018.3,-814.9 -1013.83,-819.36 cw(c-1017.18,-822.71) -1013.83,-826.06 -1036.74,-848.96 ccw(c-1033.39,-852.31) -1036.74,-855.66 -1032.27,-860.12 ccw(c-1028.93,-856.77) -1025.58,-860.12 -1002.68,-837.22 cw(c-999.33,-840.56) -995.98,-837.22 -991.52,-841.68 cw(c-994.87,-845.03) -991.52,-848.38 -999.62,-856.48 ccw(c-996.27,-859.83) -999.62,-863.17 ccw(c-968.66,-832.21) -968.66,-876 ccw(c-968.66,-864.76) -960.71,-872.71 -941.95,-853.95 ccw(c-953.9,-842) -937,-842 -937,-781.85 ccw(c-983.27,-781.85) CN1.15@-950.55,-749.13
D8: RN2.7 U1.46 | length 86.7
  Top Layer w5.78: RN2.7@-1205.79,-1209.53 -1205.79,-1225.44 ccw(c-1189.44,-1225.44) -1201,-1237 cw(c-1211.76,-1247.76) -1196.54,-1247.76 U1.46@-1196.54,-1293.76
D8_OUT: CN1.13 RN4.10 | length 1192.4
  Top Layer w5.78: RN4.10@-1205,-673.97 cw(c-1176.1,-673.97) -1196.54,-653.54 cw(c-1188,-662.07) -1188,-650 cw(c-1188,-678.11) -1168.12,-658.23 -1155.27,-671.09 ccw(c-1137.57,-653.39) -1137.57,-678.42 -1134.41,-678.42 ccw(c-1134.41,-673.69) -1129.68,-673.69 -1129.68,-634.92 cw(c-1124.94,-634.92) -1124.94,-630.19 -1118.63,-630.19 cw(c-1118.63,-634.92) -1113.9,-634.92 -1113.9,-721.34 ccw(c-1109.16,-721.34) -1109.16,-726.07 -1102.85,-726.07 ccw(c-1102.85,-721.34) -1098.12,-721.34 -1098.12,-634.92 cw(c-1093.38,-634.92) -1093.38,-630.19 -1087.07,-630.19 cw(c-1087.07,-634.92) -1082.34,-634.92 -1082.34,-721.92 ccw(c-1077.6,-721.92) -1077.6,-726.66 -1071.29,-726.66 ccw(c-1071.29,-721.92) -1066.56,-721.92 -1066.56,-634.92 cw(c-1061.82,-634.92) -1061.82,-630.19 -1055.51,-630.19 cw(c-1055.51,-634.92) -1050.78,-634.92 -1050.78,-721.92 ccw(c-1046.04,-721.92) -1046.04,-726.66 -1039.73,-726.66 ccw(c-1039.73,-721.92) -1035,-721.92 -1035,-634.92 cw(c-1030.26,-634.92) -1030.26,-630.19 -1023.95,-630.19 cw(c-1023.95,-634.92) -1019.22,-634.92 -1019.22,-721.92 ccw(c-1014.48,-721.92) -1014.48,-726.66 -1008.17,-726.66 ccw(c-1008.17,-721.92) -1003.44,-721.92 -1003.44,-657.76 cw(c-998.7,-657.76) -998.7,-653.03 -992.39,-653.03 cw(c-992.39,-657.76) -987.66,-657.76 -987.66,-701.43 ccw(c-982.92,-701.43) -982.92,-706.16 -976.61,-706.16 ccw(c-976.61,-701.43) -971.88,-701.43 -971.88,-678.27 cw(c-967.14,-678.27) -967.14,-673.53 -960.83,-673.53 cw(c-960.83,-678.27) -956.1,-678.27 -956.1,-676.5 ccw(c-954.18,-676.5) -954.18,-678.42 CN1.13@-879.84,-678.42
D9: RN2.6 U1.47 | length 85.1
  Top Layer w5.78: RN2.6@-1225.47,-1209.53 -1225.47,-1285.71 ccw(c-1214.08,-1285.71) U1.47@-1222.14,-1293.76
D9_OUT: CN1.11 RN4.11 | length 1196.1
  Top Layer w5.78: RN4.11@-1224.68,-680.94 -1224.68,-666.28 cw(c-1167.72,-666.28) -1217.39,-638.39 cw(c-1167.72,-666.28) -1208,-626 cw(c-1163.85,-670.15) -1163.85,-607.71 -992.84,-607.71 ccw(c-992.84,-602.98) -988.11,-602.98 -988.11,-564.17 cw(c-983.38,-564.17) -983.38,-559.43 -977.06,-559.43 cw(c-977.06,-564.17) -972.33,-564.17 -972.33,-651.25 ccw(c-967.6,-651.25) -967.6,-655.99 -961.28,-655.99 ccw(c-961.28,-651.25) -956.55,-651.25 -956.55,-564.17 cw(c-951.82,-564.17) -951.82,-559.43 -945.5,-559.43 cw(c-945.5,-564.17) -940.77,-564.17 -940.77,-651.25 ccw(c-936.04,-651.25) -936.04,-655.99 -929.72,-655.99 ccw(c-929.72,-651.25) -924.99,-651.25 -924.99,-564.17 cw(c-920.26,-564.17) -920.26,-559.43 -913.94,-559.43 cw(c-913.94,-564.17) -909.21,-564.17 -909.21,-627.54 ccw(c-904.48,-627.54) -904.48,-632.28 -898.16,-632.28 ccw(c-898.16,-627.54) -893.43,-627.54 -893.43,-564.17 cw(c-888.7,-564.17) -888.7,-559.43 -882.38,-559.43 cw(c-882.38,-564.17) -877.65,-564.17 -877.65,-626.7 ccw(c-872.92,-626.7) -872.92,-631.43 -866.6,-631.43 ccw(c-866.6,-626.7) -861.87,-626.7 -861.87,-564.17 cw(c-857.14,-564.17) -857.14,-559.43 -850.82,-559.43 cw(c-850.82,-564.17) -846.09,-564.17 -846.09,-605.62 ccw(c-844,-605.62) -844,-607.71 CN1.11@-809.13,-607.71
D10: RN2.5 U1.48 | length 84.9
  Top Layer w5.78: U1.48@-1247.73,-1293.76 ccw(c-1253.93,-1287.56) -1245.16,-1287.56 RN2.5@-1245.16,-1209.53